# Altium PCB MQ.PcbDoc
Units mil, origin at the board's own origin, x right, y up, seen from the top; angles counter-clockwise.
Board outline 3917.32 x 984.25 mil, 2 copper layers (Top Layer, Bottom Layer); 7 components, 5 nets, 24 pads, 4 vias.
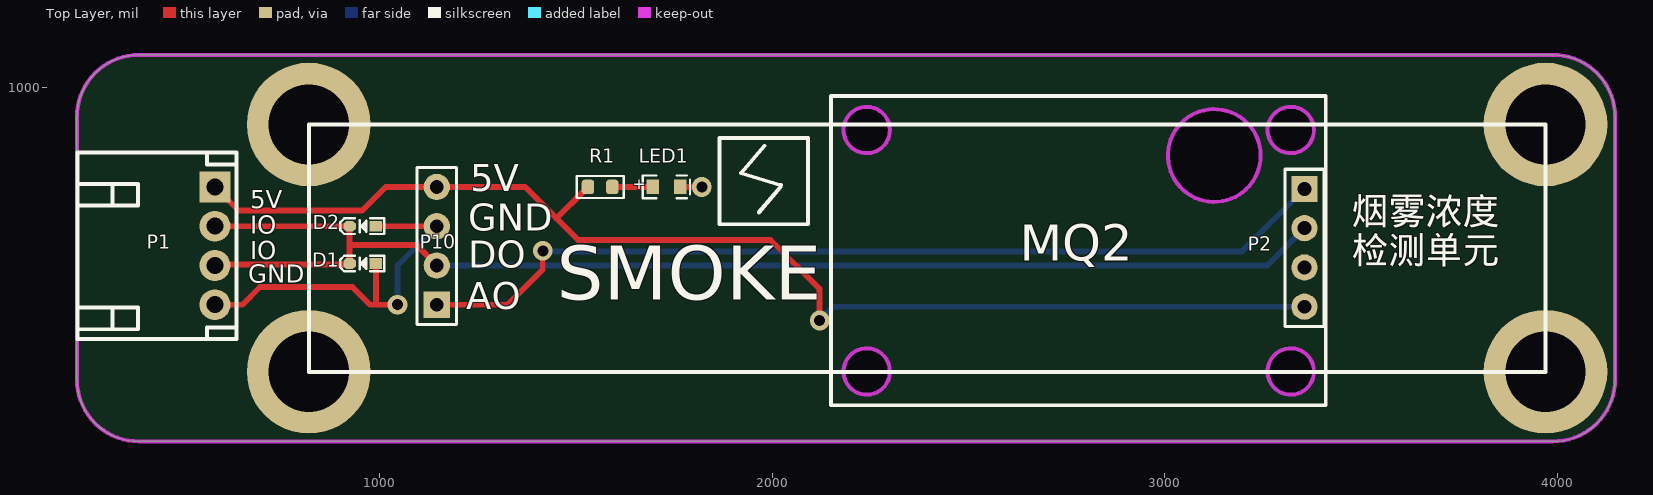
[diagram p0: Top Layer view]
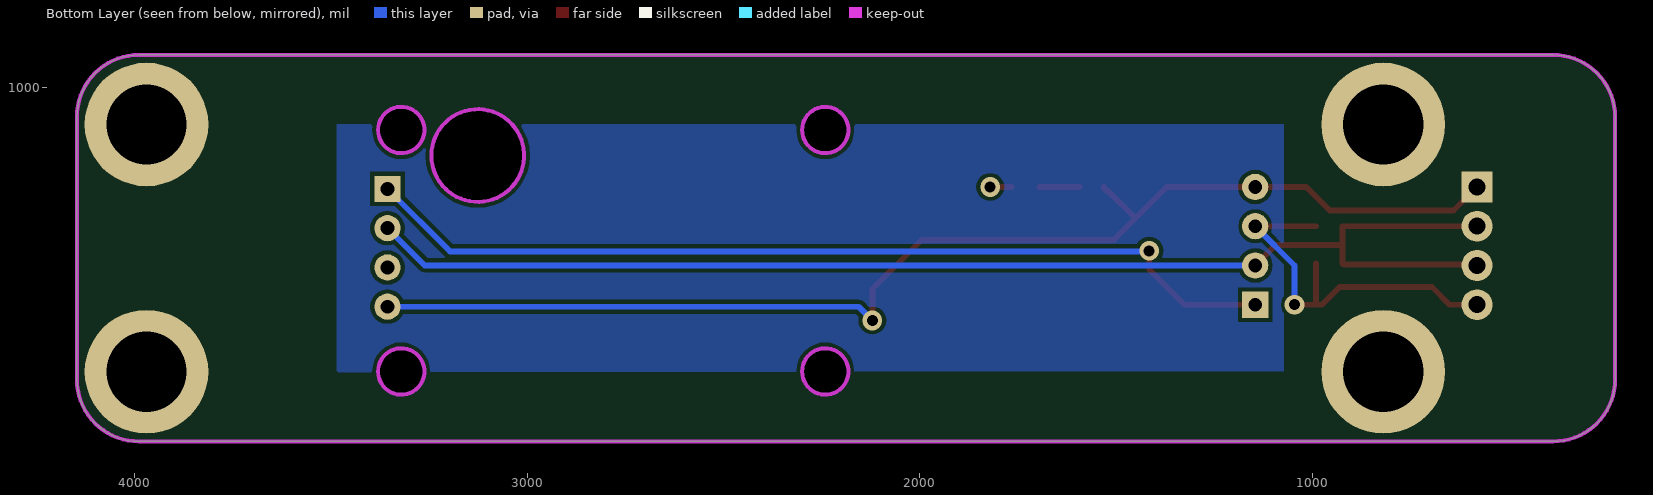
[diagram p1: Bottom Layer view, seen from below]

## Layer stack, top to bottom
Top Solder: solder mask 0.4, Solder Resist, Dk 3.5
Top Layer: signal copper 1.4
Dielectric 1: dielectric 12.6, FR-4, Dk 4.8
Bottom Layer: signal copper 1.4
Bottom Solder: solder mask 0.4, Solder Resist, Dk 3.5

## Board outline
229.06,257.21 ccw(c386.54,257.21) 386.54,99.73 3988.9,99.73 ccw(c3988.9,257.21) 4146.38,257.21 4146.38,926.5 ccw(c3988.9,926.5) 3988.9,1083.98 386.54,1083.98 ccw(c386.54,926.5) 229.06,926.5
cut-out: 2240.54,218.69 cw(c2240.54,277.74) 2181.48,277.74 cw(c2240.54,277.74) 2240.54,336.8 cw(c2240.54,277.74) 2299.59,277.74 cw(c2240.54,277.74)
cut-out: 2240.54,833.69 cw(c2240.54,892.74) 2181.48,892.74 cw(c2240.54,892.74) 2240.54,951.8 cw(c2240.54,892.74) 2299.59,892.74 cw(c2240.54,892.74)
cut-out: 3261.48,892.74 ccw(c3320.54,892.74) 3320.54,833.69 ccw(c3320.54,892.74) 3379.59,892.74 ccw(c3320.54,892.74) 3320.54,951.8 ccw(c3320.54,892.74)
cut-out: 3261.48,277.74 ccw(c3320.54,277.74) 3320.54,218.69 ccw(c3320.54,277.74) 3379.59,277.74 ccw(c3320.54,277.74) 3320.54,336.8 ccw(c3320.54,277.74)
cut-out: 3125.54,709.63 cw(c3125.54,827.74) 3007.43,827.74 cw(c3125.54,827.74) 3125.54,945.86 cw(c3125.54,827.74) 3243.65,827.74 cw(c3125.54,827.74)

## Design rules (kind name [scope] priority, off if disabled: settings)
Clearance [All] p1: gap=10 ignorepadtopadclearanceinfootprint=FALSE except(0: Arc-Hole Track-Hole SMDPad-Hole THPad-Hole Via-Hole Fill-Hole Poly-Hole Region-Hole Text-Hole)
PolygonConnect [All] p1: connectstyle=Relief reliefconductorwidth=10 reliefentries=4 polygonreliefangle="90 Angle" airgapwidth=10
RoutingVias [All] p1: holewidth=28 width=50 viastyle="Through Hole" minholewidth=28 minwidth=50 maxholewidth=28 maxwidth=50
SolderMaskExpansion [All] p1: expansion=4 istentingtop=FALSE
Width [All] p1: maxlimit=10 minlimit=10 preferedwidth=10
30 further rules are at their usual default settings.

## Components (designator, comment, footprint, x,y, rotation, side; value= is the part's Value field where it differs from the comment)
D1 "TVS" SOD-523 957.07,552.74 r180 top
D2 "TVS" SOD-523 957.07,647.74 r180 top
LED1 "LED3" 0603-led 1695.54,747.74 r0 top
P1 "ADC_IN4" KF2EDGK-2.54-WI-4P 580.54,597.75 r270 top
P2 "Header 4" HDR2.54-LI-4P 3355.54,592.74 r270 top
P10 "Header 4" HDR2.54-LI-4P 1145.54,597.74 r90 top
R1 "10K" 0603 1596.6,747.74 r180 top

## Footprints (in the part's own frame and the unit in brackets; to place one, negate y for a bottom-side part, rotate by r counter-clockwise, add the part's x,y. Pads: shape width x height; smd on the part's side, far side on the other; paste and mask are expansions set on the pad)
0603 [mil]
  rrect50% 32x37 smd: 1(3.94,0) 2(66.06,0)
  silkscreen extent -25,-28 95,28, body extent 4,-16 67,16, height 18
0603-led [mil]
  rect 32x37 smd: 1(0,0) 2(70,0)
  silkscreen extent -25,-29 95,29, body extent 2,-18 68,18, height 35
HDR2.54-LI-4P [mm] "排针，4脚"
  rect 1.7x1.7 hole 0.9: 1(-3.81,0)
  round 1.7 hole 0.9: 2(-1.27,0) 3(1.27,0) 4(3.81,0)
  silkscreen extent -5.08,-1.27 5.08,1.27, body extent -5.08,-1.27 5.08,1.27, height 8.5
KF2EDGK-2.54-WI-4P [mm] "长：12.06mm，宽：10.1mm，高：8.1mm"
  rect 2x2 hole 1.1: 1(-3.81,0)
  round 2 hole 1.1: 2(-1.27,0) 3(1.27,0) 4(3.81,0)
  silkscreen extent -6.03,-8.9 6.03,1.39, body extent -6.03,-8.9 6.03,1.2, height 8.15
SOD-523 [mm] "1.2x0.8X0.6mm（长宽高，不包括引脚）"
  rect 0.8x0.7 smd: 1(-0.85,0)
  oct 0.8x0.7 smd: 2(0.85,0)
  silkscreen extent -1.4,-0.51 1.45,0.51, body extent -0.8,-0.4 0.8,0.4, height 0.65

## Part data
D1 D2: library part D, "High Conductance Fast Diode", Code_JEDEC=DO-204-AH, ComponentLink1Description="Manufacturer Link", ComponentLink1URL=http://www.fairchildsemi.com/, ComponentLink2Description=Datasheet, ComponentLink2URL=http://www.fairchildsemi.com/ds/1N%2F1N4148.pdf, DatasheetVersion=1997, LatestRevisionDate=17-Jul-2002, LatestRevisionNote="Re-released for DXP Platform.", PackageDescription="Diode, Axial; Body 3.8 x 1.9 mm (LxDia. max), Lead Dia. 0.53 mm (max)", PackageReference=DO-35, Published=8-Jun-2000, Publisher="Altium Limited"
LED1: library part CP_DIOLED, "DIODE LED"
P1: library part "Header 4", "Header, 4-Pin", LatestRevisionDate=17-Jul-2002, LatestRevisionNote="Re-released for DXP Platform.", Publisher="Altium Limited"
P2 P10: "Header, 4-Pin", LatestRevisionDate=17-Jul-2002, LatestRevisionNote="Re-released for DXP Platform.", Publisher="Altium Limited"
R1: library part RES2

## Free pads (board coordinates)
  round 314.96 hole 204.72: 0(819.61,276.89) 0(819.61,906.82) 0(3969.21,276.89) 0(3969.21,906.82)

## Via types
v1: diameter 50, hole 28, Top Layer to Bottom Layer, tented both sides, 4 vias

## Nets (pads, with @x,y where several pads share a name; then routed paths per layer and width w, separated by ;. In a path a pad name is that pad's centre, name@x,y a point inside that pad or via, vN(x,y) a via of type N, cw(c..) or ccw(c..) an arc to the next point about the centre after c; other vN are vias at no path point)
AO: 
DO: 
GND: 
NetLED1_1: 
VIN: 
pads on no net: D1.1 D1.2 D2.1 D2.2 LED1.1 LED1.2 P1.1 P1.2 P1.3 P1.4 P2.1 P2.2 P2.3 P2.4 P10.1 P10.2 P10.3 P10.4 R1.1 R1.2
copper on no net: | length 9940.5
  Top Layer w15: 580.54,447.75 650.54,447.75 695.54,492.74 930.54,492.74 975.54,447.74 990.54,447.74 ; 580.54,547.75 583.04,550.25 921.11,550.25 923.61,552.74 923.61,600.24 ; 580.54,647.74 923.61,647.74 923.61,600.24 ; 580.54,747.75 640.54,687.74 955.54,687.74 1015.54,747.74 1145.54,747.74 1370.54,747.74 1450.54,667.75 ; 990.54,552.74 990.54,447.74 ; 990.54,647.74 1145.54,647.74 ; v1(1045.54,447.74) 990.54,447.74 ; 1145.54,447.74 1325.54,447.74 1415.54,537.74 v1(1415.54,585.24) ; 1145.54,547.74 1093.04,600.24 923.61,600.24 ; 1530.54,747.74 1530.54,745.52 1522.08,737.05 1519.85,737.05 1450.54,667.75 ; 1592.66,747.74 1695.54,747.74 ; 1765.54,747.74 v1(1820.54,747.74) ; v1(2120.54,407.74) 2120.54,487.74 1995.54,612.74 1505.54,612.74 1450.54,667.75
  Bottom Layer w15: v1(1045.54,447.74) 1045.54,547.74 1145.54,647.74 ; 1145.54,547.74 3260.54,547.74 3355.54,642.74 ; v1(1415.54,585.24) 1417.18,583.6 3196.4,583.6 3355.54,742.74 ; v1(2120.54,407.74) 2155.54,442.74 3355.54,442.74

## Polygon pours and split planes (outlines as drawn)
no net on Bottom Layer "NONET_L01_P-001" (solid, pour order 1): 3484.71,276.01 3484.71,907.74 1072.74,907.74 1072.74,277.82

## Keep-outs
Keep-Out Layer:
  circle w10: c3320.54,277.74 r59.06
  circle w10: c3320.54,892.74 r59.06
  circle w10: c2240.54,892.74 r59.06
  circle w10: c2240.54,277.74 r59.06
  circle w10: c3125.54,827.74 r118.11
  lines w10: 4146.38,926.5 ccw(c3988.9,926.5) 3988.9,1083.98 386.54,1083.98 ccw(c386.54,926.5) 229.06,926.5 229.06,257.21 ccw(c386.54,257.21) 386.54,99.73 2965.28,99.73 3988.9,99.73 ccw(c3988.9,257.21) 4146.38,257.21 4146.38,926.5 ; 4146.38,926.5 4146.38,926.5

## Silkscreen, mask and mechanical layers (free items; w line width, h text height)
Top Overlay:
  lines w10: 1965.54,682.74 2020.54,747.74 ; 1980.54,852.74 1920.54,782.74 2021.91,752.33 ; 819.61,276.89 3969.21,276.89 3969.21,906.82 819.61,906.82 819.61,276.89 ; 1865.54,652.74 1865.54,872.74 2090.54,872.74 2090.54,652.74 1865.54,652.74 ; 2149.7,191.74 3409.54,191.74 3409.54,979.15 2149.7,979.15 2149.7,191.74
  text "5V" at 1230.54,713.84 h118.11
  text "5V" at 670.54,678.47 h78.74
  text "烟雾浓度" at 3475.65,629.88 h118.11
  text "GND" at 1225.65,613.84 h118.11
  text "IO" at 670.61,613.47 h78.74
  text "IO" at 670.61,548.47 h78.74
  text "MQ2" at 2630.68,529.85 h157.48
  text "检测单元" at 3475.54,530.1 h118.11
  text "DO" at 1225.65,518.84 h118.11
  text "GND" at 665.61,488.47 h78.74
  text "SMOKE" at 1450.54,414.93 h236.22
  text "AO" at 1220.54,413.84 h118.11

## Text inside footprints (layer, text, board x,y; h text height)
LED1: Top Overlay "+" at 1644.54,731.74 h50